# Altium PCB golgi_bot_ESP_V2.01.PcbDoc
Units mil, origin at the board's own origin, x right, y up, seen from the top; angles counter-clockwise.
Board outline 4305 x 4730 mil, 2 copper layers (Top Layer, Bottom Layer); 39 components, 37 nets, 162 pads, 88 vias.
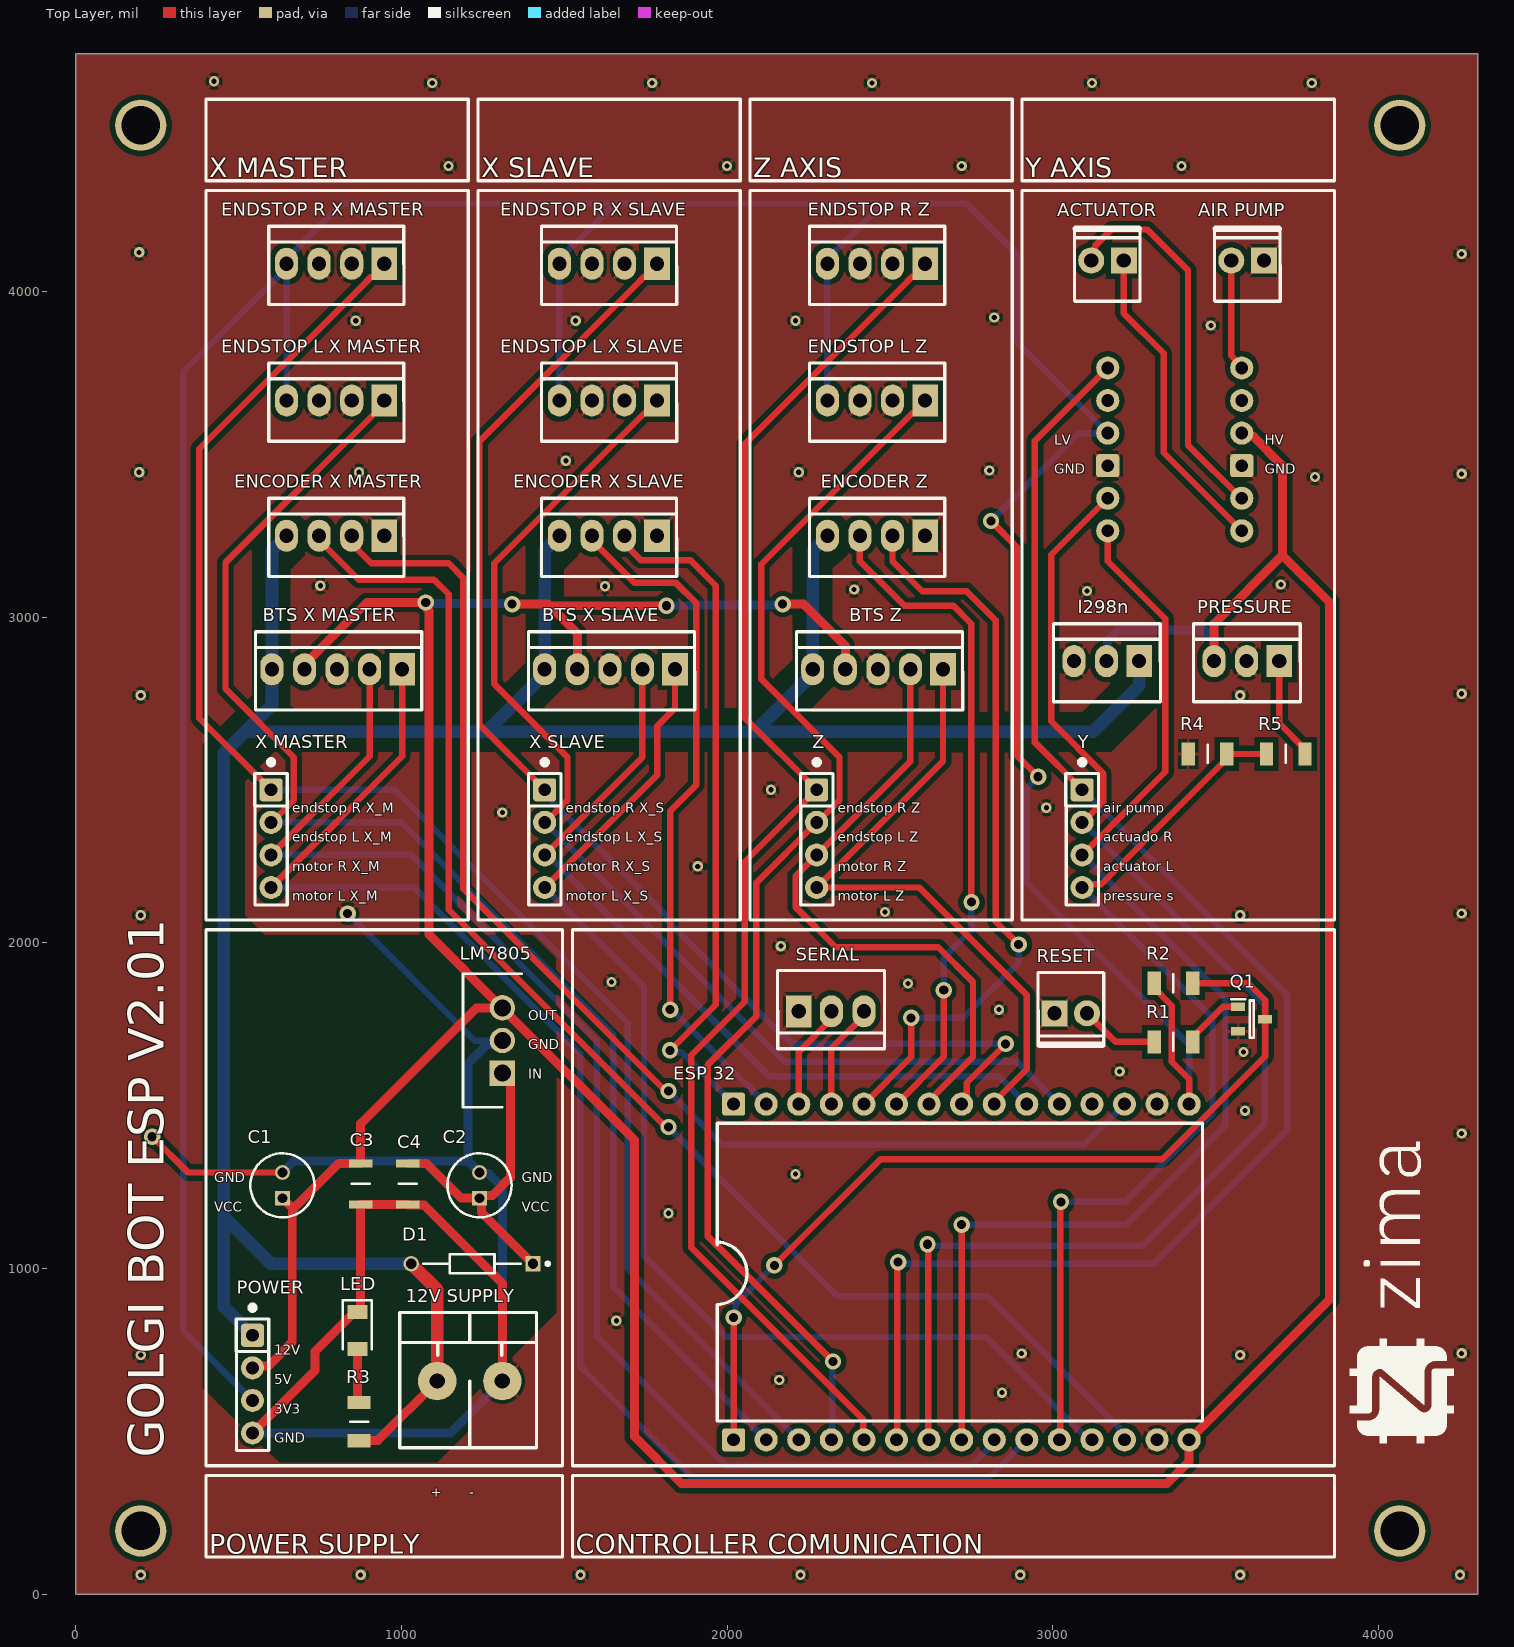
[diagram p0: Top Layer view]
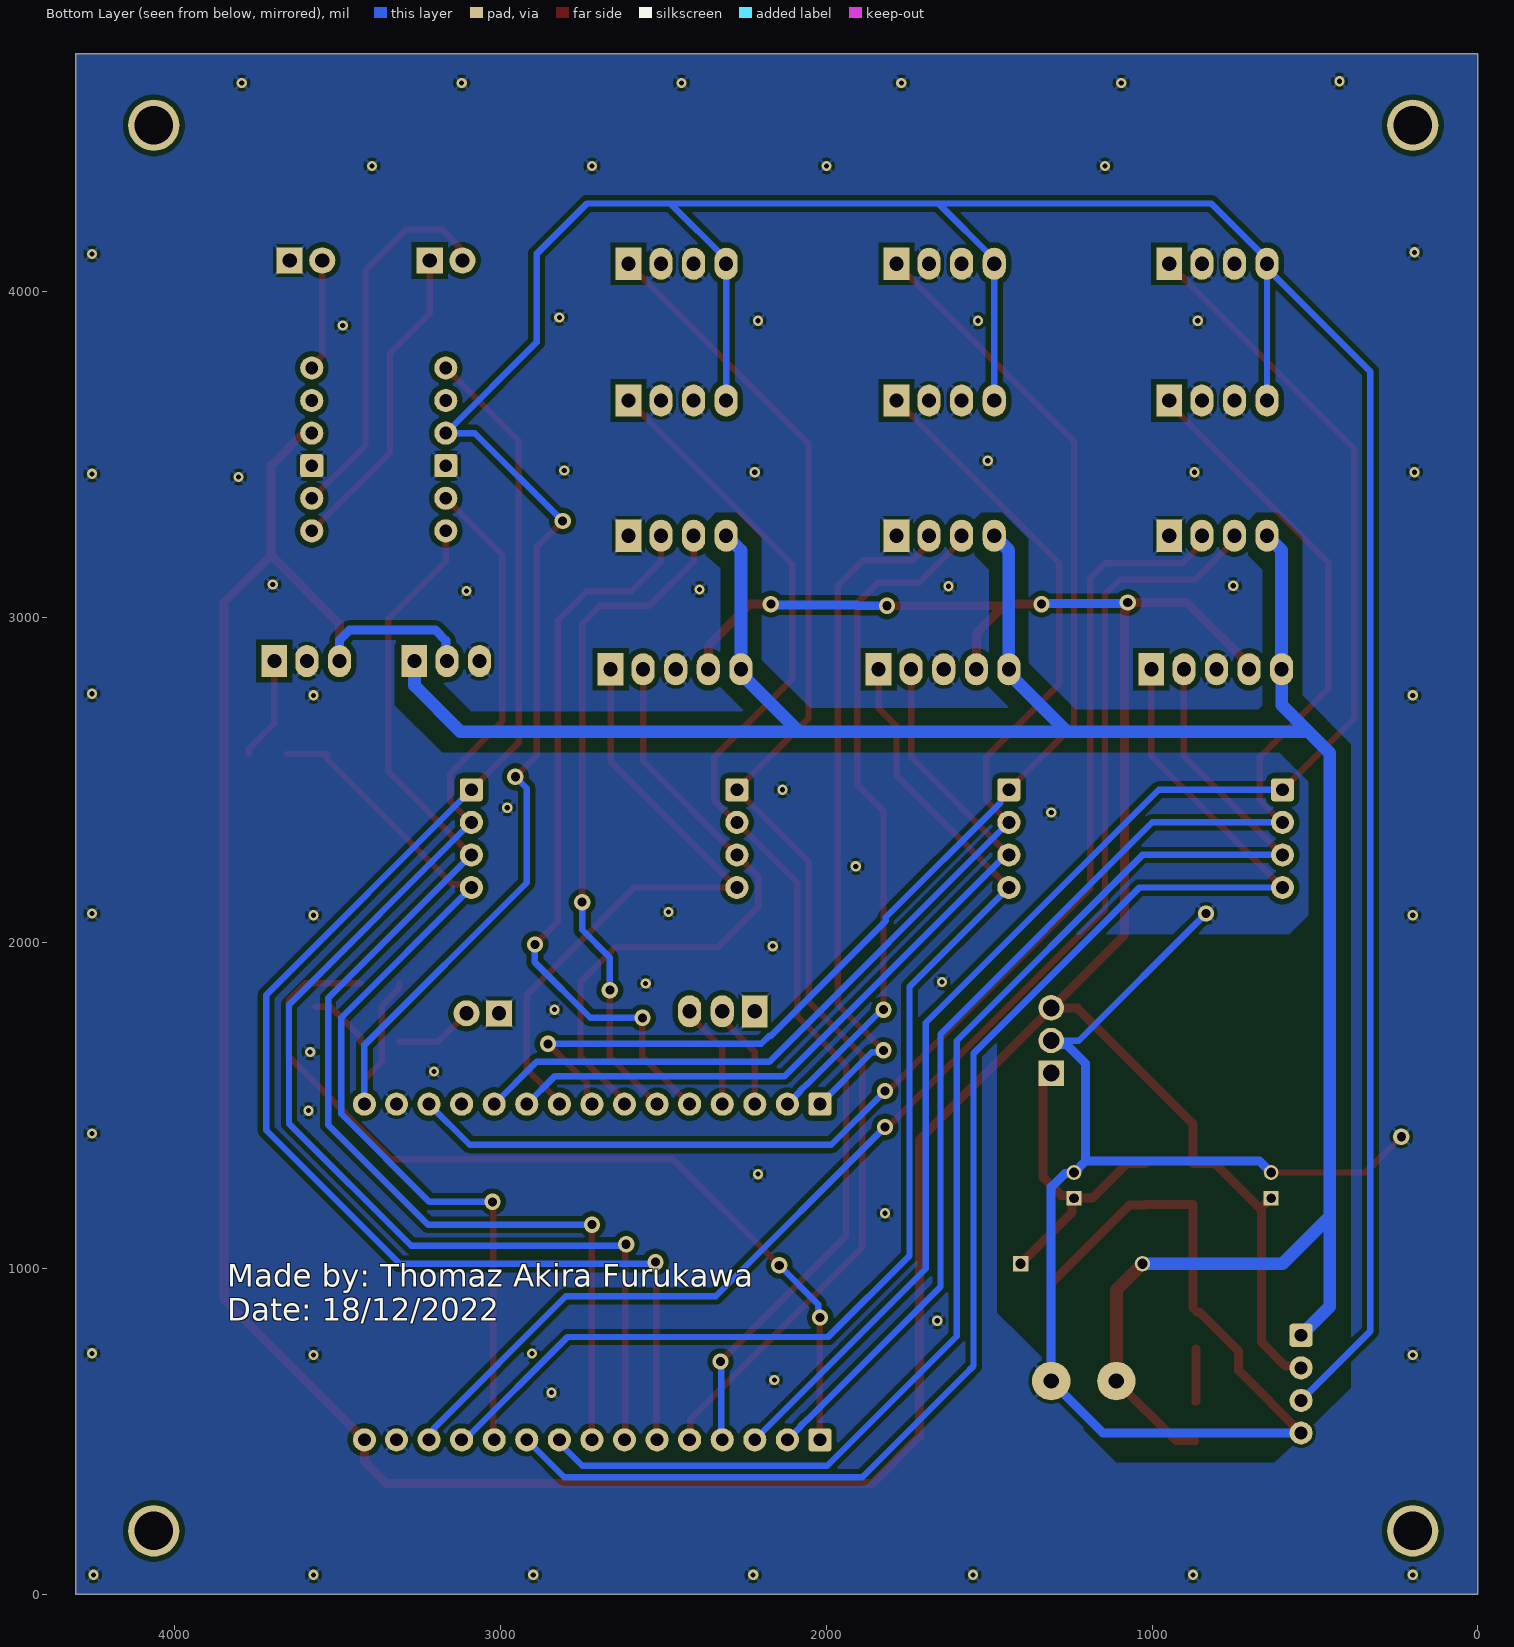
[diagram p1: Bottom Layer view, seen from below]

## Layer stack, top to bottom
Top Solder: solder mask 0.4, Solder Resist, Dk 3.5
Top Layer: signal copper 1.4
Dielectric 1: dielectric 12.6, FR-4, Dk 4.8
Bottom Layer: signal copper 1.4
Bottom Solder: solder mask 0.4, Solder Resist, Dk 3.5

## Board outline
0,0 4305,0 4305,4730 0,4730

## Design rules (kind name [scope] priority, off if disabled: settings)
Clearance [All] p1: gap=15.75 ignorepadtopadclearanceinfootprint=FALSE
ComponentClearance [All] p1: gap=0 collisioncheckmode=3 verticalgap=0 showdistances=FALSE
HoleSize [All] p1: absolutevalues=TRUE maxlimit=200 minlimit=1 maxpercent=80.000 minpercent=20.000
MinimumSolderMaskSliver [All] p1: minsoldermaskwidth=11.81
PlaneConnect [All] p1: planeconnectstyle=Relief reliefexpansion=20 reliefentries=4 reliefconductorwidth=19.68 reliefairgap=10
PolygonConnect PolygonConnect_1 [All vs InNet('GND')] p1: thpad.connectstyle=Relief thpad.reliefconductorwidth=10 thpad.reliefentries=4 thpad.polygonreliefangle="45 Angle" thpad.airgapwidth=10 smdpad.connectstyle=Relief smdpad.reliefconductorwidth=10 smdpad.reliefentries=4 smdpad.polygonreliefangle="90 Angle" smdpad.airgapwidth=10 via.connectstyle=Relief via.reliefconductorwidth=10 via.reliefentries=4 via.polygonreliefangle="45 Angle" via.airgapwidth=10
PolygonConnect [All] p2: thpad.connectstyle=Relief thpad.reliefconductorwidth=19.68 thpad.reliefentries=4 thpad.polygonreliefangle="45 Angle" thpad.airgapwidth=10 smdpad.connectstyle=Relief smdpad.reliefconductorwidth=19.68 smdpad.reliefentries=4 smdpad.polygonreliefangle="90 Angle" smdpad.airgapwidth=10 via.connectstyle=Relief via.reliefconductorwidth=19.68 via.reliefentries=4 via.polygonreliefangle="45 Angle" via.airgapwidth=10
RoutingVias [All] p1: holewidth=28 width=50 viastyle="Through Hole" minholewidth=28 minwidth=50 maxholewidth=28 maxwidth=50
SilkToSilkClearance [All] p1: silktosilkclearance=5
SilkToSolderMaskClearance [IsPad] p1: minsilkscreentomaskgap=0 clearancetoexposedcopper=TRUE
SolderMaskExpansion [All] p1: expansion=4 istentingtop=FALSE
Width [All] p1: maxlimit=39.37 minlimit=19.68 preferedwidth=19.68 minimp=50.000000 maximp=50.000000 favimp=50.000000
24 further rules are at their usual default settings.

## Classes and differential pairs
component class golgi_bot_ESP_V2.01: "12V SUPPLY" ACTUATOR "AIR PUMP" "BTS X SLAVE" "BTS Z" C1 C2 C3 C4 D1 "ENCODER X MASTER" "ENCODER X SLAVE" "ENCODER Z" "ENDSTOP L X SLAVE" "ENDSTOP L Z" l298n LED LM7805 PRESSURE Q1 R1 R2 R3 R4 R5 RESET SERIAL

## Components (designator, comment, footprint, x,y, rotation, side; value= is the part's Value field where it differs from the comment)
"12V SUPPLY" "KRE2vias" KRE2-2vias 1210,655 r180 top
ACTUATOR "KK_2.54_2vias" KK_2VIAS_180º 3217.79,4095 r180 top
"AIR PUMP" "KK_2.54_2vias" KK_2VIAS_180º 3647.79,4095 r180 top
"BTS X MASTER" "KK_2.54_5vias" KK_5vias_180° 1002.5,2840 r180 top
"BTS X SLAVE" "KK_2.54_5vias" KK_5vias_180° 1840,2840 r180 top
"BTS Z" "KK_2.54_5vias" KK_5vias_180° 2662.77,2840 r180 top
C1 "220uF" CAPPRD200W55D500H1200 635,1216.26 r90 top
C2 "220uF" CAPPRD200W55D500H1200 1240,1216.26 r90 top
C3 "0.1uF" CAPC3216X180N 875,1260 r90 top
C4 "0.1uF" CAPC3216X180N 1020,1260 r90 top
D1 "Diodo SD103A-TR" DIOAD950W60L350D150 1404.02,1015 r180 top
"ENCODER X MASTER" "KK_2.54_4vias" KK_4vias_180° 947.57,3250 r180 top
"ENCODER X SLAVE" "KK_2.54_4vias" KK_4vias_180° 1785,3250 r180 top
"ENCODER Z" "KK_2.54_4vias" KK_4vias_180° 2607.84,3250 r180 top
"ENDSTOP L X MASTER" "KK_2.54_4vias" KK_4vias_180° 947.57,3665 r180 top
"ENDSTOP L X SLAVE" "KK_2.54_4vias" KK_4vias_180° 1785,3665 r180 top
"ENDSTOP L Z" "KK_2.54_4vias" KK_4vias_180° 2607.84,3665 r180 top
"ENDSTOP R X MASTER" "KK_2.54_4vias" KK_4vias_180° 947.57,4085 r180 top
"ENDSTOP R X SLAVE" "KK_2.54_4vias" KK_4vias_180° 1785,4085 r180 top
"ENDSTOP R Z" "KK_2.54_4vias" KK_4vias_180° 2607.84,4085 r180 top
"ESP 32" "microcontrolador" ESP32_Desvikit_v1 2020,474.49 r90 top value="ESP32 Desvikit V1"
l298n "KK_2.54_3vias" KK_3vias_180º 3265,2865 r180 top
LED "LED 1206" LEDC3214X78N 865,810 r270 top
LM7805 "LM7805" TO255P460X1020X2008-3P 1310,1600 r90 top
POWER "Testing PADS 1x4" "Testing PADS 1x4" 540,795 r270 top
PRESSURE "KK_2.54_3vias" KK_3vias_180º 3695,2865 r180 top
Q1 "Trans BC817" SOT96P240X110-3N 3610.25,1766.1 r0 top
R1 "2k2" RESC3216X60N 3370.25,1696.1 r180 top
R2 "2k2" RESC3216X60N 3370.25,1876.1 r180 top
R3 "680R" RESC3216X60N 870,530 r90 top
R4 "2K" RESC3216X60N 3475,2580 r0 top
R5 "1K" RESC3216X60N 3715,2580 r180 top
RESET "KK_2.54_2vias" KK_2VIAS_180º 3004.75,1783.9 r0 top
SERIAL "KK_2.54_3vias" KK_3vias_180º 2220,1790 r0 top
"X MASTER" "Testing PADS 1x4" "Testing PADS 1x4" 597.05,2469.61 r270 top
"X SLAVE" "Testing PADS 1x4" "Testing PADS 1x4" 1437.05,2469.61 r270 top
Y "Testing PADS 1x4" "Testing PADS 1x4" 3087.05,2469.61 r270 top
Z "Testing PADS 1x4" "Testing PADS 1x4" 2272.05,2469.61 r270 top
? "Conversor de nível logico 4 canais" "Conversor de nível lógico 4 canais" 3112.48,3258.11 r0 top

## Footprints (in the part's own frame and the unit in brackets; to place one, negate y for a bottom-side part, rotate by r counter-clockwise, add the part's x,y. Pads: shape width x height; smd on the part's side, far side on the other; paste and mask are expansions set on the pad)
CAPC3216X180N [mm]
  rect 0.62x1.82 smd: 1(-1.6,0) 2(1.6,0)
  silkscreen extent 0,-0.7 0,0.7, body extent -1.6,-0.8 1.6,0.8, height 1.8
CAPPRD200W55D500H1200 [mm]
  rect 1.15x1.15 hole 0.75: 1(0,0)
  round 1.15 hole 0.75: 2(2,0)
  silkscreen extent -1.5,-2.5 3.5,2.5, body extent -1.75,-2.75 3.75,2.75, height 12
"Conversor de nível lógico 4 canais" [mm]
  round 1.8 hole 1: 1(1.425,12.875) 2(1.425,10.335) 3(1.425,7.795) 5(1.425,2.715) 6(1.425,0.175) 7(11.875,12.875) 8(11.875,10.335) 9(11.875,7.795) 11(11.875,2.715) 12(11.875,0.175)
  rrect25% 1.8x1.8 hole 1: 4(1.425,5.255) 10(11.875,5.255)
  body extent 0.14,-1.37 13.13,14.37, height 10.85
DIOAD950W60L350D150 [mm]
  rect 1.2x1.2 hole 0.8: 1(0,0)
  round 1.2 hole 0.8: 2(9.5,0)
  silkscreen extent -1.27,-0.75 8.55,0.75, body extent -0.3,-0.85 9.8,0.85, height 1.69
ESP32_Desvikit_v1 [mm]
  rrect25% 1.8x1.8 hole 1: 1(0,0) 30(26.175,0)
  round 1.8 hole 1: 2(0,-2.54) 3(0,-5.08) 4(0,-7.62) 5(0,-10.16) 6(0,-12.7) 7(0,-15.24) 8(0,-17.78) 9(0,-20.32) 10(0,-22.86) 11(0,-25.4) 12(0,-27.94) 13(0,-30.48) 14(0,-33.02) 15(0,-35.52) 16(26.175,-35.52) 17(26.175,-33.02) 18(26.175,-30.48) 19(26.175,-27.94) 20(26.175,-25.4) 21(26.175,-22.86) 22(26.175,-20.32) 23(26.175,-17.78) 24(26.175,-15.24) 25(26.175,-12.7) 26(26.175,-10.16) 27(26.175,-7.62) 28(26.175,-5.08) 29(26.175,-2.54)
  silkscreen extent 1.47,-36.57 24.69,1.31, body extent -1.2,-46.03 27.4,4.9, height 15.1
KK_2VIAS_180º [mil]
  rect 80x80 hole 43.31: 1(0,0)
  round 80 hole 43.31: 2(100,0)
  silkscreen extent -50,-101 151,125, body extent -61,-108 165,128, height 464
KK_3vias_180º [mm]
  rect 2x2.5 hole 1.1: 1(0,0)
  oval 1.8x2.5 hole 1.1: 2(2.54,0) 3(5.08,0)
  silkscreen extent -1.65,-2.92 6.69,3.18, body extent -1.6,-2.95 6.69,3.05, height 11.9
KK_4vias_180° [mm]
  rect 2x2.5 hole 1.1: 1(0,0)
  oval 1.8x2.5 hole 1.1: 2(2.54,0) 3(5.08,0) 4(7.62,0)
  silkscreen extent -1.53,-2.92 9.02,3.18, body extent -1.4,-2.79 8.76,3.01, height 10.12
KK_5vias_180° [mm]
  rect 2x2.5 hole 1.1: 1(0,0)
  oval 1.8x2.5 hole 1.1: 2(2.54,0) 3(5.08,0) 4(7.62,0) 5(10.16,0)
  silkscreen extent -1.53,-2.92 11.43,3.18, body extent -1.4,-2.79 11.3,3.01, height 10.12
KRE2-2vias [mm]
  round 3 hole 1.2: 1(-2.54,0) 2(2.54,0)
  silkscreen extent -5.21,-5.33 5.46,5.21, body extent -5.13,-5.33 5.63,5.17, height 14.35
LEDC3214X78N [mm]
  rect 1.1x1.55 smd: 1(-1.45,0) 2(1.45,0)
  silkscreen extent -2.35,-1.12 1.45,1.12, body extent -1.6,0 1.6,0.68, height 0.8
RESC3216X60N [mm]
  rect 1.05x1.8 smd: 1(-1.5,0) 2(1.5,0)
  silkscreen extent 0,-0.7 0,0.7, body extent -1.58,-0.8 1.58,0.8, height 0.6
SOT96P240X110-3N [mm]
  rect 1.1x0.65 smd: 1(-1.05,0.96) 2(-1.05,-0.96) 3(1.05,0)
  silkscreen extent -1.6,-1.45 0.15,1.54, body extent -1.2,-1.45 1.2,1.45, height 1.1
"Testing PADS 1x4" [mm]
  rrect25% 1.8x1.8 hole 1: 1(-0.01,0.075)
  round 1.8 hole 1: 2(2.53,0.075) 3(5.07,0.075) 4(7.61,0.075)
  silkscreen extent -2.31,-1.2 8.98,1.34
TO255P460X1020X2008-3P [mm]
  rect 1.98x1.98 hole 1.32: 1(0,0)
  round 1.98 hole 1.32: 2(2.55,0) 3(5.1,0)
  silkscreen extent -2.65,-1.53 7.75,3.07, body extent -2.55,-1.53 7.65,3.07, height 19.21

## Part data
"12V SUPPLY": "Conector 2 vias", Descrição="Conector KRE 2 vias 180º", Encapsulamento="PTH - 180º", Modelo="2 vias - 180º"
ACTUATOR "AIR PUMP" RESET: "Conector KK 2.54mm 2 vias", Descrição="Conector KK 3 vias com passo 2.54mm", Encapsulamento="PTH - 180º", Modelo="2 vias - 180º", Valor="KK 2 vias 180º"
"BTS X MASTER" "BTS X SLAVE" "BTS Z": "Conector KK 2.54mm 5 vias", Descrição="Conector KK 3 vias com passo 2.54mm", Encapsulamento="PTH - 180º", Modelo="3 vias - 180º", Valor="KK 5 vias 180º"
C1 C2: library part "Capacitor eletrolítico D5mm", "Capacitor Polarised", Arrow Part Number=ECA-0JM221, Manufacturer_Name=Panasonic, Mouser Part Number=667-ECA-0JM221, Arrow Price/Stock=https://www.arrow.com/en/products/eca-0jm221/panasonic, Datasheet Link=http://industrial.panasonic.com/cdbs/www-data/pdf/RDF0000/ABA0000C1218.pdf, Height=12mm, Manufacturer_Part_Number=ECA-0JM221, Mouser Price/Stock=https://www.mouser.com/Search/Refine.aspx?Keyword=667-ECA-0JM221
C3 C4: library part "Capacitor Cerâmico 1206", "Capacitor", Manufacturer_Name=TDK, Manufacturer_Part_Number=C3216X5R0J226M160AA, Mouser Part Number=810-C3216X5R0J226M-6, Datasheet Link=https://product.tdk.com/info/en/catalog/datasheets/mlcc_commercial_midvoltage_en.pdf, Height=1.8mm, Mouser Price/Stock=https://www.mouser.com/Search/Refine.aspx?Keyword=810-C3216X5R0J226M-6
D1: "Schottky Diode", Arrow Part Number=SD103A-TR, Manufacturer_Name=Vishay, Mouser Part Number=625-SD103A, Arrow Price/Stock=https://www.arrow.com/en/products/sd103a-tr/vishay?region=nac, Datasheet Link=https://componentsearchengine.com/Datasheets/5/SD103A-TR.pdf, Manufacturer_Part_Number=SD103A-TR, Mouser Price/Stock=https://www.mouser.co.uk/ProductDetail/Vishay-Semiconductors/SD103A-TR?qs=RwahMLkpD2urFD%2FzZdGOBw%3D%3D
"ENCODER X MASTER" "ENCODER X SLAVE" "ENCODER Z" "ENDSTOP L X MASTER" "ENDSTOP L X SLAVE" "ENDSTOP L Z" "ENDSTOP R X MASTER" "ENDSTOP R X SLAVE" "ENDSTOP R Z": "Conector KK 2.54mm 4 vias", Descrição="Conector KK 3 vias com passo 2.54mm", Encapsulamento="PTH - 180º", Modelo="3 vias - 180º", Valor="KK 4 vias 180º"
"ESP 32": library part "ESP32 Desvikit v1", "microcontrolador com moculo bluethoth e wifi"
l298n PRESSURE SERIAL: "Conector KK 2.54mm 3 vias", Descrição="Conector KK 3 vias com passo 2.54mm", Encapsulamento="PTH - 180º", Modelo="3 vias - 180º", Valor="KK 3 vias 180º"
LED: "LED", Manufacturer_Name="Wurth Elektronik", Manufacturer_Part_Number=150120BS75000, Mouser Part Number=710-150120BS75000, Datasheet Link=https://katalog.we-online.de/led/datasheet/150120BS75000.pdf, Height=0.78mm, Mouser Price/Stock=https://www.mouser.co.uk/ProductDetail/Wurth-Elektronik/150120BS75000?qs=LlUlMxKIyB1WGHUNBglvng%3D%3D
LM7805: library part MC7805CT-BP, "Integrated Circuit", Manufacturer_Name="Micro Commercial Components (MCC)", Mouser Part Number=833-MC7805CT-BP, Arrow Part Number=MC7805CT-BP, Arrow Price/Stock=https://www.arrow.com/en/products/mc7805ct-bp/micro-commercial-components, Datasheet Link=https://componentsearchengine.com/Datasheets/2/MC7805CT-BP.pdf, Height=4.82mm, Manufacturer_Part_Number=MC7805CT-BP, Mouser Price/Stock=https://www.mouser.co.uk/ProductDetail/Micro-Commercial-Components-MCC/MC7805CT-BP?qs=SdqRYZZ9IxChYPR4%2FIgmYA%3D%3D
POWER "X MASTER" "X SLAVE" Y Z: "Headers & Wire Housings 40Pin 2mm Spacing Single Row Hdrs, 5pc", Manufacturer=Cromax, Manufacturer Part Number=-, Accessory Type=-, Brand=Cromax, Category="Headers & Wire Housings", ComponentLink1Description=-, ComponentLink1URL=-, Contact Gender="Pin (Female)", Contact Plating=Gold, Contact Type=-, Minimum Order Quantity=1, Mounting Angle=Vertical, Mounting Style="Straight Pin", Number of Positions="40 Position", Number of Rows="1 Row", Pitch="2 mm", Pricing 1="1=1.60, 2=0.80 (BRL)", Product=Headers, Product Category=Accessories, Reeling=False, RoHS="RoHS Compliant", RoHS - Mouser=Y, Row Spacing=-, Stock 1=14, Supplier 1=-, Supplier Part Number 1=-, Termination Style="Through Hole", Type=Breakaway
Q1: "Transistor BJT NPN BC817-25-7-F", Arrow Part Number=BC817-25-7-F, Manufacturer_Name="Diodes Inc.", Mouser Part Number=621-BC817-25-7-F, Arrow Price/Stock=https://www.arrow.com/en/products/bc817-25-7-f/diodes-incorporated, Datasheet Link=https://www.diodes.com/assets/Datasheets/ds11107.pdf, Height=1.1mm, Manufacturer_Part_Number=BC817-25-7-F, Mouser Price/Stock=https://www.mouser.co.uk/ProductDetail/Diodes-Incorporated/BC817-25-7-F?qs=rGAXPo9uwV0jK0EyLZnqOw%3D%3D
R1 R2 R3: library part "Resistor 1206", "Resistor", Arrow Part Number=CRCW12064K70FKEA, Manufacturer_Name=Vishay, Mouser Part Number=71-CRCW1206-4.7K-E3, Arrow Price/Stock=https://www.arrow.com/en/products/crcw12064k70fkea/vishay, Datasheet Link=http://docs-emea.rs-online.com/webdocs/13ec/0900766b813ecc08.pdf, Height=0.6mm, Manufacturer_Part_Number=CRCW12064K70FKEA, Mouser Price/Stock=https://www.mouser.co.uk/ProductDetail/Vishay-Dale/CRCW12064K70FKEA?qs=1vm4qhDHCvlKJmatsKzyFQ%3D%3D
R4 R5: library part "Resistor 1206", Arrow Part Number=CRCW12064K70FKEA, Manufacturer_Name=Vishay, Mouser Part Number=71-CRCW1206-4.7K-E3, Arrow Price/Stock=https://www.arrow.com/en/products/crcw12064k70fkea/vishay, Datasheet Link=http://docs-emea.rs-online.com/webdocs/13ec/0900766b813ecc08.pdf, Height=0.6mm, Manufacturer_Part_Number=CRCW12064K70FKEA, Mouser Price/Stock=https://www.mouser.co.uk/ProductDetail/Vishay-Dale/CRCW12064K70FKEA?qs=1vm4qhDHCvlKJmatsKzyFQ%3D%3D

## Free pads (board coordinates)
  round 157.48 hole 118.11: 1(200,195) 2(4065,195) 3(4065,4510) 4(200,4510)

## Via types
v1: diameter 31.5, hole 15.75, Top Layer to Bottom Layer, tented both sides, 64 vias
v2: diameter 50, hole 28, Top Layer to Bottom Layer, 24 vias

## Nets (pads, with @x,y where several pads share a name; then routed paths per layer and width w, separated by ;. In a path a pad name is that pad's centre, name@x,y a point inside that pad or via, vN(x,y) a via of type N, cw(c..) or ccw(c..) an arc to the next point about the centre after c; other vN are vias at no path point)
+3V3: "ENDSTOP L X MASTER.4" "ENDSTOP L X SLAVE.4" "ENDSTOP L Z.4" "ENDSTOP R X MASTER.4" "ENDSTOP R X SLAVE.4" "ENDSTOP R Z.4" "ESP 32.16" ?.3 POWER.3 R2.2 | length 11481.1
  Top Layer w19.68: v2(2810,3295) 2890,3215 2890,2575 v2(2955,2510) ; R2.2 3311.2,1861.34 3365.33,1807.2 3365.33,1634.67 3418.43,1581.57 3418.43,1505
  Bottom Layer w19.68: POWER.3 330,808.35 330,3753.65 647.57,4071.22 ; 647.57,3665 647.57,4071.22 ; 1485,3665 1485,4085 1485,4098.78 1656.22,4270 ; 2307.84,3665 2307.84,4085 2307.84,4098.78 2479.06,4270 ; v2(2810,3295) 3080,3565 ?.3 2890,3843.58 2890,4115 2735,4270 2479.06,4270 ; v2(2955,2510) 2920,2475 2920,2185 3418.43,1686.57 3418.43,1505 ; 647.57,4071.22 647.57,4085 647.57,4098.78 818.79,4270 1656.22,4270 ; 1656.22,4270 2479.06,4270
+5: "BTS X MASTER.4" "BTS X SLAVE.4" "BTS Z.4" "ESP 32.15" ?.9 C1.1 C3.2 l298n.2 LM7805.3 POWER.2 PRESSURE.3 | length 12669.5
  Top Layer w27.56: POWER.2 548.46,700.9 590.9,700.9 665,775 665,1186.26 ; C1.1 668.13,1183.13 807.99,1322.99 C3.2 875,1445 1230,1800 LM7805.3@1310,1800 ; 702.5,2840 702.5,2853.78 893.72,3045 v2(1075,3045) 1079.29,3040.71 1079.29,3024.84 1085,3019.13 1085,2025 LM7805.3@1310,1800 ; v2(1340,3040) 1450,3040 1455,3035 ; 1540,2840 1540,2950 1455,3035 ; v2(1813.98,3035) 1455,3035 ; v2(2170.59,3040) 2235,3040 2362.77,2912.23 2362.77,2840 ; PRESSURE.3 3495,2980 3705,3190 ; ?.9 3588.29,3556.71 3613.29,3556.71 3705,3465 3705,3190 ; LM7805.3@1310,1800 1715,1395 1715,485 1860,340 3350,340 3418.43,408.43 3418.43,474.49 3850,906.06 3850,3045 3705,3190
  Bottom Layer w27.56: v2(1075,3045) 1077.5,3042.5 1337.5,3042.5 v2(1340,3040) ; v2(1813.98,3035) 1905,3035 1907.5,3037.5 2168.09,3037.5 v2(2170.59,3040) ; l298n.2 3168.14,2868.14 3168.14,2928.14 3200,2960 3465,2960 3494.36,2930.64 3494.36,2865.64 PRESSURE.3
+12: "12V SUPPLY.2" "BTS X MASTER.5" "BTS X SLAVE.5" "BTS Z.5" "ENCODER X MASTER.4" "ENCODER X SLAVE.4" "ENCODER Z.4" D1.2 l298n.1 POWER.1 R3.1 | length 8150.5
  Top Layer w27.56: R3.1 871.75,472.7 927.7,472.7 1110,655
  Top Layer w39.37: D1.2 1110,935 1110,655
  Bottom Layer w19.68: 2262.77,2826.22 2262.77,2840
  Bottom Layer w39.37: POWER.1 455,883.35 455,1160 ; 602.5,2840 602.5,2730.61 520,2648.11 ; 603.1,2856.11 603.1,3205.13 647.57,3249.6 647.57,3250 ; D1.2 600,1015 455,1160 ; 1263.28,2649.5 1440,2826.22 ; 1440,2840 1440.37,2840.37 1440.37,3205.29 1485,3249.91 1485,3250 ; 2262.77,2826.22 2084.66,2648.11 ; 2262.77,2840 2262.77,3204.93 2307.84,3250 ; l298n.1 3265,2790 3123.11,2648.11 2084.66,2648.11 ; 455,1160 455,2583.11 520,2648.11 ; 520,2648.11 1263.28,2648.11 2084.66,2648.11
atuador_l: "ESP 32.8" ?.6 Y.3 | length 3781.7
  Top Layer w19.68: 2720,474.49 v2(2720,1135) ; Y.3 3345,2525 3345,2995 3168.58,3171.42 ?.6
  Bottom Layer w19.68: v2(2720,1135) 3223.08,1135 3530,1441.92 3530,1830 Y.3
atuador_r: "ESP 32.7" ?.5 Y.2 | length 4113.1
  Top Layer w19.68: v2(2615,1075) 2617.5,1072.5 2617.5,476.99 2620,474.49 ; Y.2 3091.87,2370 3155,2433.13 3155,2520 2995,2680 2995,3191.42 ?.5
  Bottom Layer w19.68: v2(2615,1075) 2620,1070 3275,1070 3650,1445 3650,1810 Y.2
bomba: "ESP 32.6" ?.1 Y.1 | length 4668.1
  Top Layer w19.68: 2520,474.49 2522.5,476.99 2522.5,1017.5 v2(2525,1020) ; Y.1 2945,2615 2945,3541.42 ?.1
  Bottom Layer w19.68: v2(2525,1020) 2530,1015 3310,1015 3720,1425 3720,1840 Y.1
en: "ESP 32.1" Q1.3 R2.1 | length 2775.9
  Top Layer w19.68: 2020,474.49 v2(2020,850) ; v2(2145,1010) 2470.93,1335.93 3335.66,1335.93 3651.59,1651.86 Q1.3 3651.59,1824.27 3599.76,1876.1 R2.1
  Bottom Layer w19.68: v2(2020,850) 2025.8,855.8 2025.8,890.8 v2(2145,1010)
encoder_a_x_master: "ENCODER X MASTER.3" "ESP 32.13" | length 4209.3
  Top Layer w19.68: 747.57,3250 747.57,3236.22 868.79,3115 1100,3115 1145,3070 1145,2101.8 1811.8,1435 v2(1820,1435)
  Bottom Layer w19.68: v2(1820,1435) 2340,915 2800,915 3204.01,510.99 3204.01,504.33 3220,488.34 3220,474.49
encoder_a_x_slave: "ENCODER X SLAVE.3" "ESP 32.29" | length 2111.2
  Top Layer w19.68: 1585,3250 1585,3236.22 1716.22,3105 1843.23,3105 1904.96,3043.27 1904.96,2484.96 1825,2405 1825,1795.1 v2(1825.06,1795.04)
  Bottom Layer w19.68: v2(1825.06,1795.04) 1829.96,1795.04 2058.98,1566.02 2060.84,1566.02 2081.02,1545.84 2081.02,1543.98 2120,1505
encoder_a_z: "ENCODER Z.3" "ESP 32.25" | length 2070.4
  Top Layer w19.68: 2407.84,3250 2407.84,3171.26 2543.57,3035.54 2694.46,3035.54 2750,2980 v2(2750,2125) ; 2520,1505 2665,1650 v2(2665,1855)
  Bottom Layer w19.68: v2(2665,1855) 2665,1955 2750,2040 v2(2750,2125)
encoder_b_x_master: "ENCODER X MASTER.2" "ESP 32.18" | length 3771.7
  Top Layer w19.68: 847.57,3250 847.57,3225.23 907.8,3165 1145,3165 1190,3120 1190,2166.8 1811.8,1545 v2(1820,1545)
  Bottom Layer w19.68: v2(1820,1545) 1985,1380 3095,1380 3220,1505
encoder_b_x_slave: "ENCODER X SLAVE.2" "ESP 32.30" | length 2106
  Top Layer w19.68: 1685,3250 1685,3225.23 1735.03,3175.2 1886.46,3175.2 1965,3096.66 1965,1810 v2(1825,1670)
  Bottom Layer w19.68: v2(1825,1670) 1830.8,1664.2 1860.8,1664.2 2020,1505
encoder_b_z: "ENCODER Z.2" "ESP 32.26" | length 2275.5
  Top Layer w19.68: 2420,1505 2565,1650 v2(2565,1770) ; 2507.84,3250 2507.84,3171.26 2599.1,3080 2735,3080 2825,2990 2825,2065 v2(2895,1995)
  Bottom Layer w19.68: v2(2565,1770) 2725,1770 2895,1940 v2(2895,1995)
endstop_l_x_master: "ENDSTOP L X MASTER.1" "ESP 32.2" "X MASTER.2" | length 4374.6
  Top Layer w19.68: 600,2370 601.87,2370 670,2438.13 670,2570 460,2780 460,3167.59 947.57,3655.16 947.57,3665
  Bottom Layer w19.68: 600,2370 1000,2370 1650,1720 1650,944.49 2058.98,535.51 2060.84,535.51 2081.02,515.33 2081.02,513.46 2120,474.49
endstop_l_x_slave: "ENDSTOP L X SLAVE.1" "ESP 32.20" "X SLAVE.2" | length 3569.5
  Top Layer w19.68: 1440,2370 1441.87,2370 1510,2438.13 1510,2570 1285,2795 1285,3165 1710.2,3590.2 1710.28,3590.2 1745.71,3625.63 1755.47,3625.63 1785,3655.16 1785,3665
  Bottom Layer w19.68: 1440,2370 2175,1635 2890,1635 3020,1505
endstop_l_z: "ENDSTOP L Z.1" "ESP 32.4" Z.2 | length 3834.4
  Top Layer w19.68: v2(2325,715) 1940,1100 1940,1625 2090,1775 2090,2185 Z.2 2276.87,2370 2345,2438.13 2345,2570 2105,2810 2105,3162.16 2533.04,3590.2 2533.12,3590.2 2568.55,3625.63 2578.31,3625.63 2607.84,3655.16 2607.84,3665
  Bottom Layer w19.68: 2320,474.49 2322.5,476.99 2322.5,712.5 v2(2325,715)
endstop_r_x_master: "ENDSTOP R X MASTER.1" "ESP 32.3" "X MASTER.1" | length 4836.1
  Top Layer w19.68: 600,2470 574.41,2495.59 380,2690 380,3517.43 872.77,4010.2 872.85,4010.2 908.28,4045.63 918.04,4045.63 947.57,4075.16 947.57,4085
  Bottom Layer w19.68: 600,2470 980,2470 1695,1755 1695,999.49 2220,474.49
endstop_r_x_slave: "ENDSTOP R X SLAVE.1" "ESP 32.23" "X SLAVE.1" | length 3922.9
  Top Layer w19.68: 1440,2470 1240,2670 1240,3540 1710.2,4010.2 1710.28,4010.2 1745.71,4045.63 1755.47,4045.63 1785,4075.16 1785,4085 ; 2720,1505 2720,1518.85 2736.12,1534.97 2736.12,1571.12 v2(2855,1690)
  Bottom Layer w19.68: 1440,2470 1465.59,2444.41 1465.59,2430.71 1817.81,2078.49 1817.81,2067.42 2170.03,1715.2 2174.8,1715.2 2200,1690 v2(2855,1690)
endstop_r_z: "ENDSTOP R Z.1" "ESP 32.5" Z.1 | length 4315.4
  Top Layer w19.68: 2420,474.49 2418.11,476.37 2418.11,536.89 1890,1065 1890,1655 2054.57,1819.57 2054.57,2249.57 Z.1 2055,2690 2055,3532.16 2533.04,4010.2 2533.12,4010.2 2568.55,4045.63 2578.31,4045.63 2607.84,4075.16 2607.84,4085
GND: "12V SUPPLY.1" "AIR PUMP.1" "BTS X MASTER.3" "BTS X SLAVE.3" "BTS Z.3" "ENCODER X MASTER.1" "ENCODER X SLAVE.1" "ENCODER Z.1" "ENDSTOP L X MASTER.2" "ENDSTOP L X MASTER.3" "ENDSTOP L X SLAVE.2" "ENDSTOP L X SLAVE.3" "ENDSTOP L Z.2" "ENDSTOP L Z.3" "ENDSTOP R X MASTER.2" "ENDSTOP R X MASTER.3" "ENDSTOP R X SLAVE.2" "ENDSTOP R X SLAVE.3" "ENDSTOP R Z.2" "ENDSTOP R Z.3" "ESP 32.14" "ESP 32.17" ?.4 ?.10 C1.2 C2.2 C3.1 C4.1 l298n.3 LED.1 LM7805.2 POWER.4 PRESSURE.2 Q1.2 R4.1 RESET.1 SERIAL.1 | length 5345.4
  Top Layer w19.68: v2(235,1405) 345,1295 C1.2 ; LED.1@863.19,867.09 LED.1@875,878.9 ; C4.1 C4.1@1021.21,1195.79
  Top Layer w27.56: POWER.4 735,687.44 735,745.94 856.14,867.09 LED.1@863.19,867.09 ; LED.1@875,878.9 C3.1 C4.1 ; C4.1@1021.21,1195.79 1069.21,1195.79 1310,955 1310,655
  Bottom Layer w19.68: v2(835,2090) 1225,1700 LM7805.2@1310,1700
  Bottom Layer w27.56: POWER.4 1150.39,495.39 1310,655 1310,1250 1268.39,1291.61 1243.39,1291.61 C2.2 1205,1330 ; C1.2 670,1330 1205,1330 ; LM7805.2@1310,1700 1298.21,1688.21 1263.21,1688.21 1205,1630 1205,1330
  other v1: 200,60 875,60 1550,60 2225,60 2900,60 3575,60 4250,60 2843.84,619.37 2160,658.2 200,735 3575,735 2904.23,739.23 4255,740 1660,840 1820,1170 2210,1290 4255,1415 3590,1485 3205,1605 3585,1665 2835,1795 2555,1875 1645,1880 2165,1990 200,2085 3575,2085 4255,2090 2485,2095 1910,2235 1310,2400 2980,2415 2135,2470 200,2760 3575,2760 4255,2765 3105,3080 2390,3085 1625,3095 751.25,3096.25 3700,3100 3805,3430 4255,3440 195,3445 870,3445 2220,3445 2805,3450 1505,3480 3485,3895 860,3910 1535,3910 2210,3910 2820,3920 4255,4115 195,4120 1145,4385 2000,4385 2720,4385 3395,4385 1095,4640 1770,4640 2445,4640 3120,4640 3795,4640 425,4645
motor_l_x_master: "BTS X MASTER.1" "ESP 32.10" "X MASTER.4" | length 4516.1
  Top Layer w19.68: 600,2170 1002.5,2572.5 1002.5,2840
  Bottom Layer w19.68: 600,2170 1039.24,2170 1548.65,1660.59 1548.65,701.35 1573.97,676.03 1890.43,359.57 2805.08,359.57 2920,474.49
motor_l_x_slave: "BTS X SLAVE.1" "ESP 32.12" "X SLAVE.4" | length 3701.3
  Top Layer w19.68: 1440,2170 1785,2515 1785,2665 1840,2720 1840,2840
  Bottom Layer w19.68: 1440,2170 1745,1865 1745,1040 1995,790 2795,790 3110.51,474.49 3120,474.49
motor_l_z: "BTS Z.1" "ESP 32.22" Z.4 | length 1988.7
  Top Layer w19.68: 2662.77,2840 2662.77,2557.77 Z.4 2590,2170 2920,1840 2920,1612.12 2820,1512.12 2820,1505
motor_r_x_master: "BTS X MASTER.2" "ESP 32.9" "X MASTER.3" | length 4262
  Top Layer w19.68: 600,2270 902.5,2572.5 902.5,2840
  Bottom Layer w19.68: 600,2270 1030,2270 1600,1700 1600,792.62 1997.62,395 2750,395 2820,465 2820,474.49
motor_r_x_slave: "BTS X SLAVE.2" "ESP 32.21" "X SLAVE.3" | length 2491.1
  Top Layer w19.68: 1440,2270 1740,2570 1740,2840
  Bottom Layer w19.68: 1440,2270 1450,2270 2130,1590 2835,1590 2920,1505
motor_r_z: "BTS Z.2" "ESP 32.24" Z.3 | length 1947.3
  Top Layer w19.68: 2562.77,2840 2562.77,2557.77 Z.3 2210,2205 2210,2110 2333.11,1986.89 2648.11,1986.89 2755,1880 2755,1650 2620,1515 2620,1505
Net_7: "AIR PUMP.2" ?.7 | length 343.3
  Top Layer w19.68: 3547.79,4095 3547.79,3802.12 3580,3769.92 ?.7
Net_11: ?.11 ACTUATOR.2 | length 1177
  Top Layer w19.68: ACTUATOR.2 3129.34,4106.54 3129.34,4139.34 3180,4190 3290,4190 3415,4065 3415,3528.13 3578.13,3365 ?.11
Net_12: ?.12 ACTUATOR.1 | length 980
  Top Layer w19.68: ACTUATOR.1 3217.79,3932.21 3340,3810 3340,3505 ?.12
NetC2_1: C2.1 C4.2 D1.1 LM7805.1 | length 985.2
  Top Layer w27.56: C4.2 1077.01,1322.99 1183.74,1216.26 C2.1 ; LM7805.1 1335,1575 1335,1280 1279.94,1224.94 1248.68,1224.94 C2.1 ; D1.1 1394.17,1024.84 1245.69,1173.33 1245.69,1210.57 C2.1
NetLED_2: LED.2 R3.2 | length 165.9
  Top Layer w19.68: R3.2@865,594.06 R3.2
  Top Layer w27.56: R3.2@865,594.06 LED.2
NetPRESSURE_1: PRESSURE.1 R5.1 | length 317.7
  Top Layer w19.68: PRESSURE.1 3695,2673.82 3774.06,2594.76 R5.1
NetQ1_1: Q1.1 R1.1 | length 192.9
  Top Layer w19.68: R1.1 3429.31,1710.86 3522.34,1803.89 Q1.1
NetR1_2: R1.2 RESET.2 | length 242.8
  Top Layer w19.68: RESET.2 3192.55,1696.1 R1.2
RX: "ESP 32.27" SERIAL.3 | length 326.4
  Top Layer w19.68: 2320,1505 2320,1676.22 2420,1776.22 SERIAL.3
"sensor de pressao": "ESP 32.11" R4.2 R5.2 Y.4 | length 2914.5
  Top Layer w19.68: 3020,474.49 3022.5,476.99 3022.5,1202.5 v2(3025,1205) ; Y.4 3099.79,2179.79 3148.61,2179.79 3534.06,2565.24 R4.2 R5.2
  Bottom Layer w19.68: v2(3025,1205) 3220,1205 3490,1475 3490,1770 Y.4
TX: "ESP 32.28" SERIAL.2 | length 326.4
  Top Layer w19.68: 2220,1505 2220,1665.23 2320,1765.23 SERIAL.2
pads on no net: "ESP 32.19" ?.2 ?.8

## Polygon pours and split planes (outlines as drawn)
GND on Top Layer "GND_L01_P002" (solid, pour order 2): 0,0 0,4730 4305,4730 4305,0
GND on Bottom Layer "GND_L02_P003" (solid, pour order 3): 0,0 0,4730 4305,4730 4305,0

## Other copper
Multi-Layer:
  pour cut-out: 520,2085 580,2025 1405,2025 1475,1955 1475,865 1395,785 1210,600 1210,505 1110,405 626,405 567.5,457.5 390,635 390,2610 540,2760 540,3245 615,3320 680,3320 705,3295 705,3190 660,3145 660,2730 675,2715 1235,2715 1380,2860 1380,3240 1460,3320 1525,3320 1545,3300 1545,3190 1500,3145 1500,2785 1435,2720 2050,2720 2200,2870 2200,3245 2275,3320 2340,3320 2370,3290 2370,3190 2325,3150 2325,2785 2250,2710 3090,2710 3205,2825 3205,2915 3225,2935 3305,2935 3325,2915 3325,2730 3180,2585 610,2585 520,2495

## Silkscreen, mask and mechanical layers (free items; w line width, h text height)
Top Overlay:
  drawing of 55 lines, arcs and shapes, not listed
  text "X MASTER" at 410,4350 h60
  text "X SLAVE" at 1245,4350 h60
  text "Z AXIS" at 2080,4350 h60
  text "Y AXIS" at 2915,4350 h60
  text "LV /  / GND" at 3005,3440 h30
  text "HV /  / GND" at 3650,3440 h30
  text "endstop R X_M /  / endstop L X_M /  / motor R X_M /  / motor L X_M" at 665,2130 h30
  text "endstop R X_S /  / endstop L X_S /  / motor R X_S /  / motor L X_S" at 1505,2130 h30
  text "endstop R Z /  / endstop L Z /  / motor R Z /  / motor L Z" at 2340,2130 h30
  text "air pump /  / actuado R /  / actuator L /  / pressure s" at 3155,2130 h30
  text "OUT /  / GND /  / IN" at 1390,1583.06 h30
  text "GND /  / VCC" at 425,1175 h30
  text "GND /  / VCC" at 1370,1175 h30
  text "12V /  / 5V /  / 3V3 /  / GND" at 610,465 h30
  text "GOLGI BOT ESP V2.01" at 270,420 h110 r90
  text "+      -" at 1090,300 h30
  text "POWER SUPPLY" at 410,125 h60
  text "CONTROLLER COMUNICATION" at 1535,125 h60
Bottom Overlay:
  text "Made by: Thomaz Akira Furukawa / Date: 18/12/2022" at 3840,840 h70